# KiCad board klor1_4.kicad_pcb (continued)
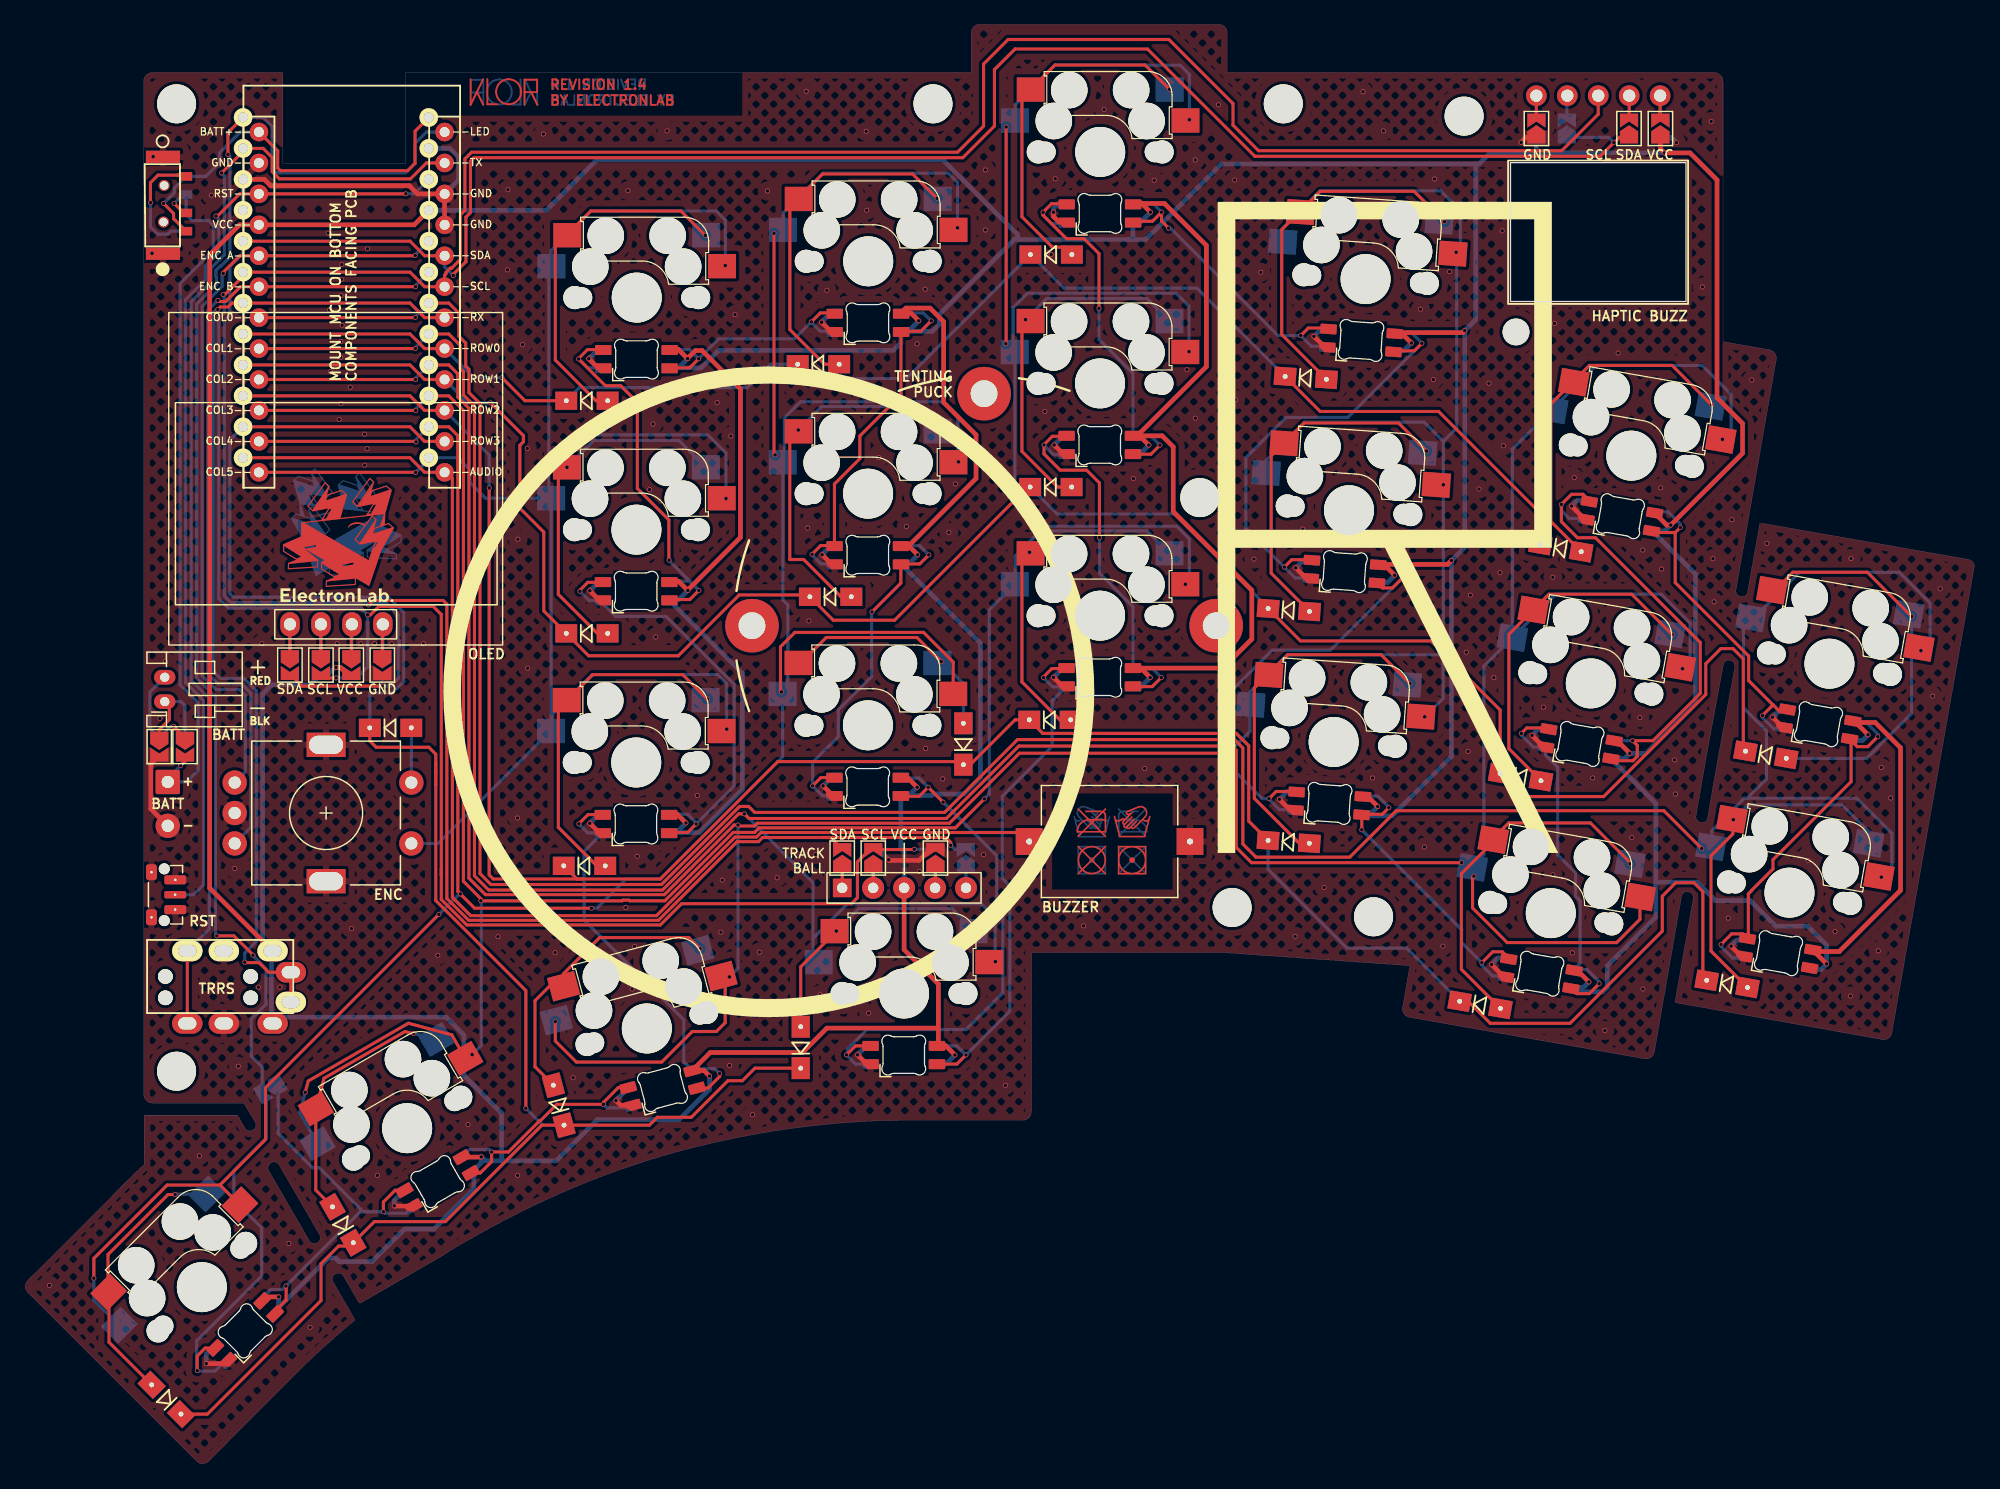
[diagram p0: board, top side]
## Routing (per net, layer and track width the routed paths; a pad name or vN(x,y) marks a point on that pad's centre or on a via; arc(x,y) is an arc through that point) (continued)
VCC: length 817.3
  Top w0.381: 90.79,84.46 91.54,84.46 v1(92.29,83.71) ; 74.87,34.39 75.62,34.39 v1(76.37,33.64) ; v1(92.42,102.84) 91.67,103.59 90.92,103.59 ; 90.92,103.59 91.6,103.59 ; 71.77,56.37 72.45,56.37 ; 53.42,72.47 52.94,72.47 ; 90.9,65.38 91.65,65.38 v1(92.4,64.63) ; 71.82,75.45 72.57,75.45 v1(73.32,74.7) ; 71.77,56.37 72.52,56.37 v1(73.27,55.62) ; v1(128.41,39.63) 127.38,40.66 127.17,40.66 ; U1.21 32,101.8 U1.21 17.67,101.8 15.2,99.34 15.2,47.35 J1.1 ; 52.94,53.4 53.58,53.4 v1(54.3,52.68) ; v1(56.24,31.9) 55.77,32.37 54.82,32.37 56.3,33.84 63.87,33.84 65.87,35.84 74.9,35.84 75.01,35.73 ; 25.59,65.45 v1(25.58,65.47) 25.94,65.47 26.48,64.93 JP2.2 ; v1(147.92,41.11) 146.9,42.13 146.86,42.13 148.95,42.13 153.98,47.16 153.98,58.86 151.9,60.94 150.18,60.94 150.3,60.94 v1(151.32,59.92) ; 75.01,35.73 75.01,34.34 ; 75.01,35.73 75.01,39.47 74.06,40.42 74.06,40.42 72.2,42.28 J3.3 ; v1(118.22,93.11) 118.05,92.95 112.45,92.95 112.98,92.95 v1(113.84,92.09) ; SW20.4 37.48,25.25 v1(37.51,25.27) ; v1(73.41,93.91) 72.76,94.56 71.94,94.56 ; 109.79,54.89 110.22,54.89 v1(111.08,54.03) ; 72.29,75.39 71.81,75.39 ; 71.94,94.55 72.35,94.96 74.32,94.96 75.45,93.84 75.45,87.21 78.11,84.55 78.11,80.97 72.61,75.48 71.94,75.48 ; 134.27,108.6 134.27,108.04 v1(134.61,107.7) 136.71,107.7 138.92,105.49 138.92,87.59 141.02,85.49 141.02,83.04 v1(135.12,77.14) 134.79,77.14 SW5.4 ; 90.79,84.46 91.47,84.46 ; v1(131.77,58.4) 130.73,59.44 SW10.4 ; v1(112.47,73.02) 111.57,73.92 111.12,73.92 116.8,73.92 v1(117.13,74.24) ; SW14.4 98.36,65.4 100.74,67.79 100.74,71.8 94.29,78.25 94.29,83.57 93.38,84.48 SW8.4 91.33,84.48 97.01,90.15 97.01,100.11 93.57,103.55 90.99,103.55 ; 74.87,34.39 75.55,34.39 ; 71.82,75.45 72.5,75.45 ; 90.9,65.38 91.58,65.38 ; 52.95,72.53 53.63,72.53 ; 52.95,72.53 53.7,72.53 v1(54.45,71.78) 54.45,71.82 58.77,76.14 58.77,88.32 55.62,91.47 55.07,91.47 54.44,90.84 v1(54.44,90.8) 53.68,91.56 52.94,91.56 ; 19.28,13.43 19.62,13.77 v1(20.88,13.77)
  Bottom w0.381: SW5.4 134.63,76.66 v1(135.12,77.14) ; 39.17,24.94 37.84,24.94 v1(37.51,25.27) 37.51,24.8 SW20.4 36.9,23.71 36.9,22.63 33.61,19.34 31.2,19.34 28.53,16.68 25.83,16.68 25.55,16.96 24.93,16.96 20.34,12.37 20.88,12.91 v1(20.88,13.77) ; 39.17,24.94 43.64,24.94 47.02,28.32 53.73,28.32 56.24,30.83 v1(56.24,31.9) ; 39.17,24.94 39.17,28.85 36.08,31.94 36.08,35.27 34.6,36.74 20.88,36.74 J1.1 ; 52.94,90.05 55.55,90.05 56.99,91.49 71.32,91.49 71.94,92.12 71.94,93.05 74.51,93.05 75.1,93.64 75.1,94.44 81.29,100.63 81.52,100.63 ; v1(128.41,39.63) 127.95,39.18 126.91,39.18 127.27,38.81 129.52,38.81 129.92,39.21 129.92,40.96 133.9,44.95 133.9,54.28 SW10.4 131.32,57.96 v1(131.77,58.4) 133.1,58.4 137.15,62.46 137.15,73.12 133.53,76.74 ; 133.9,46.61 133.9,47.82 137.29,47.82 138.8,46.31 141.65,46.31 143.75,44.21 146.35,44.21 147.92,42.65 v1(147.92,41.11) 147.46,40.65 146.6,40.65 ; v1(92.42,102.84) 91.68,102.09 90.92,102.09 ; 71.94,73.98 78.47,67.44 78.47,56.44 77.09,55.06 74.58,55.06 74.46,54.95 71.98,54.95 SW13.4 71.94,50.57 72.2,50.31 J3.3 ; 119.12,106.79 119.4,106.79 120.24,107.63 123.82,107.63 ; 119.12,106.79 119.12,94.01 v1(118.22,93.11) 118.22,75.33 v1(117.13,74.24) 117.13,58.14 112.26,53.27 109.81,53.27 109.69,53.4 110.44,53.4 v1(111.08,54.03) ; 119.12,106.79 98.24,106.79 92.03,100.59 90.61,100.59 ; v1(113.84,92.09) 113.19,91.45 112.35,91.45 ; 52.94,90.06 53.69,90.06 v1(54.44,90.8) ; 71.77,54.87 72.53,54.87 v1(73.27,55.62) ; 81.52,100.63 81.52,101 75.39,107.13 46.98,107.13 42.84,102.99 U1.21 ; 81.52,100.63 81.56,100.59 90.9,100.59 90.99,100.68 90.99,102.05 ; v1(54.45,71.78) 53.71,71.03 52.95,71.03 ; v1(92.29,83.71) 91.55,82.96 90.79,82.96 ; 111.02,72.42 111.87,72.42 v1(112.47,73.02) ; SW6.4 58.93,64.98 58.93,55.45 55.38,51.9 52.94,51.9 ; v1(76.37,33.64) 75.63,32.89 74.87,32.89 ; 90.9,63.88 91.66,63.88 v1(92.4,64.63) ; 123.68,107.71 134.6,107.71 v1(134.61,107.7) ; 71.94,93.06 72.55,93.06 v1(73.41,93.91) ; v1(54.3,52.68) 53.52,51.9 52.94,51.9 ; 20.24,42.18 19.56,42.86 19.56,63.31 20.29,64.03 23.44,64.03 JP7.2 24.97,64.93 25.51,65.47 v1(25.58,65.47) 25.56,65.45 ; 149.92,59.46 150.85,59.46 v1(151.32,59.92) ; 20.28,36.32 20.28,42.09 ; v1(73.32,74.7) 72.58,73.95 71.82,73.95 ; JP12.1 124.1,107.66
+BATT: length 33.4
  Top w0.254: v1(11.42,103.55) 12.24,102.73 12.24,102.3 12.25,102.3 PSW1.3 ; U1.24 20.79,107.88 20.79,106.46 21.01,106.24 31.46,106.24 32.07,106.85 32.07,109.49 U1.24
  Bottom w0.254: v1(11.42,103.55) 12.3,104.44 12.3,104.81 PSW1.3 14.89,105.78 16.02,106.91 16.02,107.72 17.72,109.42 U1.24
/PAD1: length 7.6
  Top w0.254: 11.07,59.45 11.07,60.34 11.9,61.17 11.9,62.28
  Bottom w0.254: JP23.1 13.18,62.33 12.86,62.65 BT1.1
/PAD2: length 8.7
  Top w0.254: v1(12.25,60.62) 12.25,60.62 JP24.1
  Bottom w0.254: BT1.2 10.31,63.44 10.31,60.44 JP25.1 12.02,60.62 v1(12.25,60.62)
/PSW: length 59.5
  Top w0.254: v1(12.83,57.4) 13.19,57.76 JP24.2 ; 13.07,102.78 v1(12.29,103.56)
  Bottom w0.254: PSW1.2 13.27,102.64 13.76,102.15 15.1,102.15 15.5,101.75 15.5,99.71 12.78,96.99 12.78,64.02 14.25,62.55 14.25,57 13.31,56.05 BT2.1 11.77,56.34 v1(12.83,57.4) 13.18,57.75 JP23.2 ; 13.01,104.28 v1(12.29,103.56)
AUDIO: length 103.2
  Top w0.254: U1.12 31.65,82.67 32.85,81.48 U1.12 ; 34.65,81.48 35.13,81 35.13,68.45 35.13,68.45 35.13,46.57 36.63,45.07 51.88,45.07 58.34,51.53 60.09,51.53 60.46,51.9 81.73,51.9 BZ1.1
col0: length 241.8
  Top w0.254: U1.18 32.06,94.18 v1(32.08,94.2) ; v1(137.67,50.58) 134.56,53.69 112.59,53.69 108.78,49.88 101.08,49.88 100.01,50.95 100.01,58.84 99.32,59.53 81.51,59.53 75.53,53.55 59.94,53.55 59.45,54.04 58.7,54.04 52.29,47.63 38.29,47.63 37.39,48.53 37.39,87.12 36.49,88.03 36.49,89.93 36.22,90.2 36.22,92.09 35.66,92.65 35.66,94.55 34.83,95.37 U1.18
  Bottom w0.254: U1.18 32.08,94.26 v1(32.08,94.2) ; v1(155.66,66.83) 156.4,67.58 156.4,70.73 153.88,73.26 145.69,73.26 141.1,68.67 141.1,62.13 142.98,60.25 142.98,56.3 141.39,54.71 ; v1(152.41,48.23) 153.28,49.1 153.28,51.82 150.39,54.71 141.39,54.71 ; 141.39,54.71 141.16,54.71 138.5,52.05 138.5,50.59
col1: length 294.6
  Top w0.254: v1(32.1,91.64) 32.09,91.64 U1.17 ; v1(118.97,48.32) 118.86,48.21 118.86,45.7 121.7,42.86 130.69,42.86 132.59,44.77 132.59,46.69 ; v1(117.97,49.42) 100.72,49.42 99.46,50.68 99.46,58.65 99.09,59.02 98.54,59.02 98.53,59 81.62,59 75.67,53.05 59.47,53.05 v1(59.09,53.43) 58.62,53.43 52.37,47.18 38.1,47.18 36.94,48.34 36.94,86.93 36.03,87.84 36.03,89.74 35.77,90.01 35.77,91.9 34.83,92.83 U1.17
  Bottom w0.254: 65.31,41.23 64.73,41.81 64.73,47.8 59.1,53.43 v1(59.09,53.43) ; v1(79.69,41.3) 79.68,41.32 79.68,44.9 78.54,46.03 67.55,46.03 64.73,43.22 ; 118.81,49.12 119.78,50.09 119.78,65.56 SW10.5 ; SW10.5 125.69,71.47 134.35,71.47 136.71,69.11 136.71,65.97 v1(136.09,65.35) ; SW10.5 122.12,83.37 129,90.25 137.7,90.25 140.08,87.87 140.08,84.89 v1(139.37,84.18) ; v1(32.1,91.64) 32.1,91.74 U1.17
col2: length 261.9
  Top w0.254: v1(32.11,89.09) 32.1,89.1 U1.16 ; v1(43.58,36.38) 43.58,34.78 45.31,33.05 52.31,33.05 54.82,35.56 56.8,35.56 57.52,36.28 57.52,39.8 57.19,40.13 ; v1(98.8,58.41) 81.67,58.41 75.92,52.67 60.15,52.67 59.92,52.44 58.65,52.44 v1(58.57,52.52) 58.25,52.52 52.53,46.8 37.84,46.8 36.49,48.16 36.49,86.74 35.58,87.65 35.58,89.56 34.84,90.29 U1.16
  Bottom w0.254: 103.25,100.49 103.25,101.49 106.35,104.59 116.24,104.59 117.86,102.97 117.86,99.89 v1(117.51,99.54) 117.56,99.49 117.56,85.12 116.46,84.02 ; 116.46,66.61 116.34,66.5 103.65,66.5 100.59,63.44 100.59,60.21 v1(98.8,58.41) ; 116.46,66.61 116.45,66.6 116.45,62.92 v1(114.93,61.4) ; 116.46,66.61 v1(116.46,80.45) 116.46,84.02 ; 116.46,84.02 114.87,85.6 105.06,85.6 101.92,82.46 101.92,81.46 ; v1(58.57,52.52) 58.57,40.75 v1(57.87,40.04) ; U1.16 32.11,89.21 v1(32.11,89.09)
col3: length 255.3
  Top w0.254: v1(32.12,86.54) 32.1,86.56 U1.15 ; v1(23.05,30.57) 23.3,31.5 31.51,36.24 35.08,35.29 36.19,33.36 ; U1.15 34.83,87.75 36.03,86.55 36.03,47.89 37.47,46.46 v1(37.47,46.29) 49.06,46.29 49.11,46.35 49.62,46.35 49.67,46.29 52.56,46.29 58.18,51.91 59.93,51.91 60.3,52.28 76.41,52.28 v1(78.79,54.66) ; v1(80.56,92.03) 80.58,92.05 v1(80.58,109.83)
  Bottom w0.254: SW8.5 81.3,91.34 81.3,79.22 83.47,77.05 83.89,77.05 ; v1(95.28,72.29) 95.61,72.62 95.61,76.01 94.57,77.05 83.89,77.05 ; v1(37.47,46.29) 37.5,46.26 37.5,34.41 v1(36.75,33.66) ; 81.32,110.41 81.32,111.66 84.56,114.9 94.87,114.9 95.61,114.16 v1(95.61,110.42) ; 83.89,77.05 83.77,77.05 81.32,74.6 81.32,72.26 ; 81.29,91.37 81.15,91.51 81.15,95 82.33,96.18 94.52,96.18 95.58,95.12 v1(95.58,91.38) ; v1(32.12,86.54) 32.12,86.68 U1.15 ; v1(23.05,30.57) 22.6,28.89 24.06,26.36 ; SW14.5 79.2,70.2 79.2,55.07 v1(78.79,54.66)
col4: length 249.7
  Top w0.254: v1(32.15,83.97) 32.1,84.02 U1.14 ; 16.05,22.96 11.72,22.96 5.71,16.94 v1(5.71,15.31) ; 16.05,22.96 17.67,21.34 ; 16.05,22.96 19.8,26.7 19.8,30.95 v1(34.03,45.18) ; v1(61.62,82.9) 61.53,82.99 v1(61.53,101.1) ; v1(46.56,45.69) 36.95,45.69 v1(35.78,46.86) 35.58,47.06 35.58,84.48 34.85,85.21 U1.14 ; SW13.5 76.23,65.9 73.8,68.33 63.24,68.33 62.06,67.15 62.06,63.52 v1(62.14,63.44) ; v1(76.59,101.55) 76.24,101.21
  Bottom w0.254: 62.37,82.32 62.37,85.94 63.71,87.27 75.36,87.27 76.62,86.02 76.62,82.38 v1(76.66,82.33) ; 7.78,11.44 5.71,13.51 v1(5.71,15.31) ; v1(32.15,83.97) 32.15,84.17 U1.14 ; v1(76.59,101.55) 76.59,105.29 75.84,106.03 65.54,106.03 62.29,102.79 62.29,101.54 ; v1(35.78,46.86) 35.7,46.86 v1(34.03,45.18) ; 62.25,82.34 62.25,70.99 62.66,70.58 62.66,63.96 v1(62.14,63.44) 62.14,63.38 SW13.5 62.23,58.12 52.21,48.1 49.41,48.1 46.99,45.69 v1(46.56,45.69)
col5: length 141.9
  Top w0.254: U1.13 32.1,81.48 v1(32.11,81.47)
  Bottom w0.254: SW6.5 37.85,79.35 36.58,80.62 36.58,81.67 35.58,82.67 U1.13 ; SW6.5 43.23,60.28 33.96,51 SW18.S1 ; SW6.5 43.04,79.55 43.04,98.24 43.23,98.44 43.23,99.69 46.48,102.93 56.78,102.93 57.53,102.19 v1(57.53,98.45) ; 43.35,60.38 43.35,61.63 46.59,64.87 56.9,64.87 57.64,64.13 v1(57.64,60.39) ; 33.19,82.55 v1(32.11,81.47) ; v1(57.58,79.32) 57.58,83.06 56.09,84.55 45.53,84.55 43.04,82.06
ENCA: length 63.5
  Top w0.254: v1(16.32,97.8) 16.34,97.82 16.34,97.92 17.68,99.26 U1.20 32.05,99.26 v1(32.08,99.28)
  Bottom w0.254: v1(16.32,97.8) 16.22,97.71 16.22,96.73 14.6,95.1 14.6,64.77 15.72,63.65 17.65,63.65 18.13,63.16 18.13,56.88 SW18.A ; U1.20 32.08,99.34 v1(32.08,99.28)
ENCB: length 66.5
  Top w0.254: v1(32.11,96.72) 32.1,96.72 U1.19 17.74,96.72 16.52,95.5 15.98,95.5 v1(15.88,95.6)
  Bottom w0.254: U1.19 32.11,96.83 v1(32.11,96.72) ; SW18.B 18.59,52.33 18.59,63.35 17.83,64.1 15.91,64.1 15.05,64.96 15.05,94.77 v1(15.88,95.6)
LED: length 141.3
  Top w0.254: v1(18.77,41.83) 18.77,41.85 17.2,43.42 v1(15.8,43.42) ; 15.42,9.57 14.84,9.57 14.19,8.92 v1(14.19,7.71) ; v1(16.71,107.57) 16.71,109.37 U1.1
  Bottom w0.254: 16.49,8.51 15.66,7.69 14.21,7.69 v1(14.19,7.71) 14.14,7.76 14.14,10.15 19.48,15.49 19.48,19.44 17.2,21.72 17.2,24.16 19.85,26.81 19.85,30.2 JP26.2 19.52,30.52 19.52,32.64 18.62,33.54 18.62,36.59 19.83,37.8 19.83,40.73 18.77,41.79 v1(18.77,41.83) ; U1.1 33,109.42 32.06,108.48 32.06,106.83 31.3,106.07 20.69,106.07 20.34,106.43 20.34,109.87 19.59,110.61 U1.1 ; v1(16.71,107.57) 16.86,107.42 16.86,99.14 16.13,98.41 16.07,98.41 15.71,98.05 15.71,97.55 15.77,97.49 15.77,96.92 14.14,95.29 14.14,64.58 15.69,63.04 15.69,43.53 v1(15.8,43.42)
RESET: length 78.1
  Top w0.254: v1(15.73,102.51) 15.85,102.51 17.67,104.34 U1.22 31.3,104.34 v1(31.31,104.35)
  Bottom w0.254: v1(15.73,102.51) 15.96,102.28 15.96,99.52 14.86,98.43 14.86,97.3 13.23,95.67 13.23,64.21 14.7,62.75 14.7,47.61 13.88,46.79 RSW1.2 ; v1(31.31,104.35) 31.32,104.35 32.01,104.35 U1.22
row0: length 126.1
  Top w0.254: D4.1 106.35,86.47 116.07,86.47 124.42,78.12 D5.1 ; D1.1 41.09,87.35 v1(39.2,89.24) ; U1.8 31.65,92.83 32.85,91.64 U1.8
  Bottom w0.254: U1.8 36.88,89.24 v1(39.2,89.24) ; D4.1 96.22,96.6 85.32,96.6 D3.1 72.4,89.18 64.64,89.18 D2.1 61.26,90.35 59.34,88.43 45.55,88.43 D1.1
row1: length 176.3
  Top w0.254: D8.1 82.35,80.27 71.42,69.33 66.39,69.33 64.31,71.41 58.67,71.41 53.67,66.41 46.31,66.41 D6.1 42.63,70.09 42.63,76.57 40.67,78.53 40.67,83.69 40.96,83.98 40.96,84.49 v1(38.27,87.18) ; D9.1 104.74,67.63 115.45,67.63 121.12,61.96 D10.1 123.01,54.85 129.61,54.85 138,63.24 138,65.76 139.24,67 140.23,67 141.08,66.16 141.08,58.75 D11.1 ; U1.9 32.85,89.1 31.65,90.29 U1.9
  Bottom w0.254: D8.1 84.77,78.05 94.39,78.05 102.08,70.37 D9.1 ; v1(38.27,87.18) 36.4,87.18 U1.9
row2: length 193.6
  Top w0.254: D12.1 45.35,48.09 45.82,48.09 ; 45.82,48.09 52.2,48.09 61.84,57.72 76.82,57.72 D13.1 77.63,57.47 81.31,61.15 D14.1 83.58,60.04 99.47,60.04 100.49,59.02 100.49,52.84 D15.1 ; 45.82,48.09 38.48,48.09 38.15,48.42 v1(38.15,80.19) ; U1.10 32.85,86.56 31.65,87.75 U1.10 ; D17.1 137.76,40.08 137.76,47.05 137.03,47.78 135.54,47.78 134.43,46.67 134.43,43.8 126.86,36.24 120.31,36.24 118.49,38.05 D16.1
  Bottom w0.254: D16.1 113.43,42.41 108.54,42.41 102.07,48.88 D15.1 ; U1.10 38.15,82.9 v1(38.15,80.19)
row3: length 166.7
  Top w0.254: 33.76,55.85 33.76,58.34 33.2,58.9 28.87,58.9 28.35,59.42 D18.1 ; 33.76,55.85 33.76,46.32 41.16,38.93 v1(41.16,29.25) ; 33.76,55.85 33.76,57.69 ; D19.1 15.02,4.15 24.35,13.47 24.35,16.5 25.79,17.95 26.99,17.95 ; U1.11 31.65,85.21 32.85,84.02 U1.11 ; D20.1 28.72,19.95 34.55,19.95 42.47,27.87 D21.1 51.3,27.87 51.94,28.52 54.74,28.52 57.74,31.52 58.93,31.52 59.96,32.55 D22.1
  Bottom w0.254: U1.11 16.86,84.12 16.86,71.51 17.14,71.23 29.87,71.23 31.14,69.96 31.14,64.3 30.19,63.36 28.35,63.36 D18.1 ; v1(41.16,29.25) 42.54,27.87 D21.1
RX: length 82.7
  Top w0.254: U1.7 32.85,94.18 31.65,95.37 U1.7 17.03,95.37 16.71,95.05 16.07,95.05 v1(15.87,94.85) ; v1(18.09,41.25) 18.12,41.22 19.26,41.22 20.05,40.43 J1.3 J1.3
  Bottom w0.254: v1(15.87,94.85) 15.77,94.85 15.5,94.58 15.5,65.15 16.1,64.55 18.02,64.55 19.04,63.53 19.04,42.96 18.09,42.01 v1(18.09,41.25)
SCL: length 260.6
  Top w0.254: U1.6 31.65,97.91 32.85,96.72 U1.6 34.49,97.66 34.6,97.77 34.6,97.88 34.95,98.24 35.07,98.24 35.79,98.96 35.79,102.62 36.16,102.99 36.16,107.22 36.7,107.76 76.58,107.76 78.73,109.9 78.73,115 80.74,117.01 93.94,117.01 99.2,111.75 99.2,109.98 101.29,107.88 126.18,107.88 129.17,110.88 129.17,111.8 ; JP3.2 24.67,64.59 v1(25.59,64.59) ; 34.22,48.95 34.22,69.8 33.56,70.46 29.09,70.46 28.4,69.77 v1(28.18,69.77) ; 34.22,48.95 34.22,48.44 34.22,48.44 34.22,48.5 ; 34.22,48.95 34.22,46.4 36.31,44.31 52.2,44.31 53.94,46.05 67.87,46.05 68.37,46.55 68.37,49.49 69.41,50.53 69.67,50.53 69.7,50.5 73.01,50.5 v1(73.04,50.53) ; v1(16.31,96.07) 16.44,96.07 17.95,97.58
  Bottom w0.254: 16.41,95.87 16.41,94.57 15.96,94.11 15.96,71.14 16.77,70.32 27.62,70.32 v1(28.18,69.77) 28.18,65.5 27.6,64.93 JP6.2 26.51,64.59 v1(25.59,64.59) ; 16.41,95.87 16.41,95.97 v1(16.31,96.07) ; 16.41,95.87 16.41,96 ; v1(73.04,50.53) JP20.2
SDA: length 279.5
  Top w0.254: U1.5 32.85,99.26 31.65,100.45 U1.5 ; v1(35.2,97.63) 35.2,97.74 36.24,98.77 36.24,102.43 36.61,102.8 36.61,107.03 36.89,107.31 77.02,107.31 79.62,109.91 79.62,114.54 81.31,116.23 92.18,116.23 100.99,107.42 129.33,107.42 v1(130.46,108.55) 130.51,108.55 130.93,108.98 JP28.1 ; v1(28.24,70.58) 28.61,70.95 34.37,70.95 34.67,70.65 34.67,46.49 36.47,44.69 52.04,44.69 58.5,51.15 60.25,51.15 60.59,51.49 66.16,51.49 67.12,50.53 ; v1(29.36,63.92) 22.8,63.92 JP4.2 ; 65.56,51.49 75.63,51.49 76.03,51.09 v1(76.03,50.86)
  Bottom w0.254: 77.27,50.53 76.35,50.53 v1(76.03,50.86) ; 27.75,70.78 28.05,70.78 v1(28.24,70.58) ; 27.75,70.78 29.68,70.78 30.68,69.78 30.68,67.72 30.75,67.65 30.75,67.15 30.68,67.08 30.68,64.54 30.07,63.92 v1(29.36,63.92) 29.36,64.9 JP5.2 ; 27.75,70.78 16.95,70.78 16.41,71.32 16.41,93.91 16.86,94.36 16.86,98.39 17.95,99.48 U1.5 ; JP27.1 130.03,108.98 v1(130.46,108.55) ; v1(35.2,97.63) 34.49,98.35 U1.5
SW18B: length 4.5
  Bottom w0.254: SW18.S2 31.76,60.48
TX: length 93.7
  Top w0.254: U1.2 19.59,108.07 20.34,107.33 20.34,106.16 20.93,105.57 31.69,105.57 33,106.88 U1.2 ; J1.4 J1.4 ; v1(16.18,106.05) 17.95,107.82
  Bottom w0.254: J1.4 15.18,43.98 15.18,62.91 13.69,64.4 13.69,95.48 15.32,97.11 15.32,98.24 16.41,99.33 16.41,105.82 v1(16.18,106.05)
Net-(D1-A): length 29.4
  Top w0.254: D1.2 46.92,87.35 43.58,90.69 43.58,100.02 46.49,102.93 53.88,102.93 55.83,100.98 55.85,100.98 v1(55.9,100.93)
Net-(D2-A): length 29.2
  Top w0.254: 63.55,104.02 65.51,105.97 72.9,105.97 74.85,104.02 ; 63.54,103.98 62.83,103.27 62.83,93.19 65.67,90.35 D2.2
  vias: v1(74.92,103.97)
Net-(D3-A): length 29.1
  Top w0.254: 93.93,112.97 91.98,114.92 84.59,114.92 82.63,112.97 ; 82.58,112.97 81.87,112.26 81.87,102.46 84.37,99.96 85.36,99.96 D3.2
  vias: v1(94,112.92)
Net-(D4-A): length 29.5
  Top w0.254: v1(116.56,102.05) 114.06,104.55 106.35,104.55 103.2,101.4 103.2,92.78 D4.2
Net-(D5-A): length 29
  Top w0.254: v1(138.48,87.01) 135.24,90.25 128.44,90.25 125.29,87.1 125.29,77.44 D5.2
Net-(D6-A): length 29.3
  Top w0.254: v1(44.53,81.89) 43.82,81.18 43.82,71.46 47.03,68.25 D6.2
  Bottom w0.254: SW6.6 53.73,84.09 46.74,84.09 v1(44.53,81.89)
Net-(D7-A): length 30.5
  Top w0.254: 63.53,84.9 63.52,84.88 v1(63.52,84.95) 63.59,84.95 62.82,84.19 62.82,74.32 63.96,74.32 67.02,71.26 D7.2
  Bottom w0.254: v1(63.52,84.95) 65.44,86.87 72.96,86.87 74.93,84.9
Net-(D8-A): length 29.6
  Top w0.254: SW8.6 81.87,93.19 81.87,83.2 84.8,80.27 D8.2
  Bottom w0.254: v1(82.17,94.01) 83.89,95.74 92.14,95.74 SW8.6
Net-(D9-A): length 28.9
  Top w0.254: D9.2 102.33,73.2 102.33,82.84 105.02,85.53 112.78,85.53 v1(115.09,83.22)
Net-(D10-A): length 29.3
  Top w0.254: v1(135.25,68.14) 131.92,71.47 125.13,71.47 SW10.6 121.84,68.18 121.84,58.79 D10.2
Net-(D11-A): length 33.3
  Top w0.254: v1(154.89,69.64) 151.26,73.27 145.14,73.27 143.54,71.67
  Bottom w0.254: D11.2 151.19,57.99 154.89,61.68 v1(154.89,69.64)
Net-(D12-A): length 28.9
  Top w0.254: 55.99,62.91 54.04,64.86 46.65,64.86 44.69,62.91 ; 44.53,62.82 43.82,62.11 43.82,52.33 46.99,49.16 D12.2
  vias: v1(56.06,62.86)
Net-(D13-A): length 18.7
  Top w0.254: 63.88,65.99 65.81,67.91 73.26,67.91 75.18,65.99
  Bottom w0.254: D13.2 77.07,64.12 v1(75.25,65.94)
Net-(D14-A): length 29.7
  Top w0.254: D14.2 84.99,61.15 81.87,64.27 81.87,74.11 82.67,74.91 v1(82.5,74.91) 82.5,74.74 SW14.6
  Bottom w0.254: v1(82.5,74.91) 84.25,76.67 92.14,76.67 SW14.6
Net-(D15-A): length 30
  Top w0.254: D15.2 104.63,51.02 100.95,54.7 100.95,63.76 103.69,66.5 111.35,66.5 v1(113.72,64.13)
Net-(D16-A): length 29.6
  Top w0.254: D16.2 117.94,40.67 117.94,48.52 120.53,51.11 120.53,51.39 121.82,52.69 128.53,52.69 131.79,49.43 v1(131.79,49.34)
Net-(D17-A): length 29.4
  Top w0.254: v1(140.26,52.95) 140.26,52.91 140.22,52.87 140.22,51.79 138.43,49.99 138.43,42.17 D17.2
  Bottom w0.254: v1(140.26,52.95) 141.47,54.16 149.19,54.16 151.45,51.91 151.45,50.89
Net-(D19-A): length 22.2
  Top w0.254: 6.9,14.16 6.95,14.11 6.95,10.05 10.45,6.55 ; v1(12.37,22.18) 11.79,22.18 6.87,17.25 6.87,14.18
  Bottom w0.254: 14.96,22.22 12.41,22.22
Net-(D20-A): length 21.5
  Top w0.254: D20.2 23.92,22.54 SW20.6 24.59,31.72 31.24,35.56 31.9,35.39
  Bottom w0.254: v1(31.94,35.41) 33.79,34.91
Net-(D21-A): length 24.3
  Top w0.254: v1(55.46,42.35) 54.54,43.27 47.21,43.27 44.27,40.33 44.27,39.29 ; 43.43,31.14 41.91,32.67 41.91,38.09 43.14,39.33 44.25,39.33
Net-(D22-A): length 22.1
  Top w0.254: 66.61,43.77 66.64,43.79 v1(66.64,43.81) 66.66,43.81 63.72,40.87 D22.2
  Bottom w0.254: v1(66.64,43.81) 68.48,45.65 76.12,45.65 78.01,43.77
Net-(J2-Pin_1): length 3.3
  Top w0.254: J2.1 124.09,110.43 JP13.2
  Bottom w0.254: JP13.2 124.1,111.8
Net-(J2-Pin_2): length 1.3
  Bottom w0.254: JP27.2 126.6,111.77
Net-(J2-Pin_4): length 1.4
  Top w0.254: 131.71,111.8 131.71,110.44 JP28.2
Net-(J2-Pin_5): length 3.4
  Top w0.254: 134.25,111.8 134.25,110.45 JP14.2
  Bottom w0.254: J2.5 134.25,110.45 JP14.2
Net-(J3-Pin_1): length 1.7
  Top w0.254: JP16.1 J3.1
Net-(J3-Pin_2): length 3.7
  Top w0.254: JP17.1 69.67,47.36
  Bottom w0.254: J3.2 69.66,47.36 69.66,49.29
Net-(J3-Pin_4): length 3.4
  Top w0.254: JP18.1 74.77,47.38
  Bottom w0.254: JP18.1 74.77,47.38
Net-(J3-Pin_5): length 1.7
  Bottom w0.254: JP21.1 77.27,47.36
Net-(OLED1-GND): length 5.2
  Top w0.254: 29.38,66.38 29.38,68.95
  Bottom w0.254: 29.38,66.38 29.42,66.41 OLED1.1
Net-(OLED1-SCL): length 5.5
  Top w0.254: 24.34,66.38 24.34,69
  Bottom w0.254: OLED1.3 24.34,66.15
Net-(OLED1-SDA): length 5.5
  Top w0.254: 21.79,66.38 21.79,68.99
  Bottom w0.254: OLED1.4 21.8,66.15
Net-(OLED1-VCC): length 5.2
  Top w0.254: 26.83,66.38 26.83,68.95
  Bottom w0.254: 26.84,66.38 26.88,66.42 OLED1.2
Net-(SW1B-DIN): length 33.9
  Top w0.254: v1(52.92,74.26) 52.9,74.28 52.9,77.56 50.31,80.15 50.31,87.22 48.95,88.58 47.69,88.58 v1(45.49,90.78) 45.49,90.82 46.22,91.55 47.49,91.55 ; v1(55.36,71.78) 54.62,71.03 52.95,71.03
  Bottom w0.254: v1(45.49,90.78) 46.22,90.05 47.49,90.05 ; 52.9,74.24 v1(55.36,71.78) 54.61,72.53 52.95,72.53
Net-(SW1B-DOUT): length 20.4
  Top w0.254: v1(64.59,93.82) 65.33,94.56 66.51,94.56 ; 52.94,90.06 54.6,90.06 v1(55.35,90.8)
  Bottom w0.254: 52.94,91.56 54.59,91.56 v1(55.35,90.8) 56.99,92.44 63.21,92.44 v1(64.59,93.82) 64.59,93.78 65.31,93.06 66.51,93.06
Net-(SW2B-DOUT): length 29.9
  Top w0.254: v1(64.65,74.74) 64.65,74.75 65.36,75.46 66.56,75.46 ; 71.94,93.05 71.94,87.84 68.57,84.47 68.57,82.6 66.49,80.52 66.49,75.48 ; v1(74.43,93.91) 73.57,93.06 71.94,93.06
  Bottom w0.254: 71.94,94.56 73.78,94.56 v1(74.43,93.91) ; v1(64.65,74.74) 64.65,74.67 65.36,73.96 66.56,73.96
Net-(SW3B-DIN): length 32.4
  Top w0.254: v1(88.2,94.93) 88.2,99.43 86.98,100.65 85.54,100.65 83.61,102.58 v1(83.61,102.83) 84.31,103.53 85.54,103.53 ; 90.79,82.96 92.46,82.96 v1(93.2,83.71)
  Bottom w0.254: 90.79,84.46 92.45,84.46 v1(93.2,83.71) ; v1(88.2,94.93) 88.2,92.39 90.99,89.6 SW8.1 ; 85.54,102.03 85.41,101.9 84.29,101.9 83.61,102.58 v1(83.61,102.83)
Net-(SW3B-DOUT): length 26.5
  Top w0.254: 90.92,102.09 92.59,102.09 v1(93.33,102.84) 93.33,102.11 v1(93.92,101.52) ; 107.01,93.33 105.38,93.33 v1(104.76,92.7)
  Bottom w0.254: 90.92,103.59 92.58,103.59 v1(93.33,102.84) ; v1(93.92,101.52) 94.07,101.52 102.89,92.7 v1(104.76,92.7) 105.63,91.83 106.91,91.83
Net-(SW4B-DOUT): length 38.9
  Top w0.254: 112.35,91.45 114.08,91.45 v1(114.7,92.06) ; v1(103.41,73.69) 104.01,74.3 105.68,74.3
  Bottom w0.254: 105.58,72.8 104.3,72.8 v1(103.41,73.69) 100.25,76.85 100.25,82.68 103.55,85.98 108.62,85.98 v1(114.7,92.06) 114.7,92.09 113.84,92.95 112.45,92.95
Net-(SW10B-DIN): length 30.2
  Top w0.254: SW10.3 125.01,60.49 123.3,60.49 v1(122.86,60.04) ; 126.91,39.18 127.41,38.67 128.44,38.67 v1(129.25,39.48)
  Bottom w0.254: v1(122.86,60.04) 122.86,59.9 123.85,58.91 SW10.3 124.85,58.26 125.85,57.26 125.85,50.05 127.32,48.58 127.32,46.67 127.68,46.3 127.68,41.17 127.17,40.66 128.24,40.66 129.25,39.65 v1(129.25,39.48)
Net-(SW10B-DOUT): length 39.2
  Top w0.254: SW10.1 130.38,57.8 132.02,57.8 132.37,58.15 132.37,59.06 v1(131.99,59.44) 133.66,59.44 137.54,63.32 137.54,67.51 128.95,76.1 127.47,76.1 126.15,77.42 v1(126.15,78.84) 126.98,79.67 127.92,79.67 128.42,79.17
  Bottom w0.254: v1(126.15,78.84) 126.15,78.33 126.79,77.69 128.16,77.69 ; SW10.1 131.59,59.44 131.59,59.44 v1(131.99,59.44)
Net-(SW11B-DIN): length 28.1
  Top w0.254: 143.52,62.39 144.03,61.88 144.82,61.88 ; 143.52,62.39 143.5,62.39 141.52,64.37 141.52,66.39 135.49,72.42 135.49,76.54 ; 143.52,62.39 v1(142.65,61.51) ; v1(135.91,76.95) 135.49,76.54 ; 135.49,76.54 133.74,76.54 133.53,76.74
  Bottom w0.254: 133.79,78.22 134.92,78.22 135.91,77.23 v1(135.91,76.95) ; v1(142.65,61.51) 142.65,61.33 143.58,60.4 144.56,60.4
Net-(SW11B-DOUT): length 30.5
  Top w0.254: v1(152.12,59.77) 151.3,58.95 150.43,58.95 149.92,59.46 149.92,56.08 143.51,49.67 143.51,48.91 141.74,47.14 141.74,47.11 141.49,46.86 141.49,43.08 140.99,43.58 140.12,43.58 v1(139.25,42.71)
  Bottom w0.254: 141.23,41.6 140.19,41.6 139.25,42.54 v1(139.25,42.71) ; 150.18,60.94 151.16,60.94 152.12,59.98 v1(152.12,59.77)
Net-(SW12B-DIN): length 33.3
  Top w0.254: 55.21,30.92 56.11,30.92 57.06,31.86 v1(57.06,32.11) ; v1(45.51,52.61) 45.51,52.62 46.26,53.37 47.46,53.37
  Bottom w0.254: v1(45.51,52.61) 46.25,51.87 47.46,51.87 ; v1(57.06,32.11) 56.66,32.51 54.97,32.51 54.82,32.37 54.12,33.07 54.12,36.53 45.95,44.7 45.95,50.36 47.49,51.9
Net-(SW12B-DOUT): length 35.5
  Top w0.254: v1(55.14,52.6) 54.44,51.9 52.94,51.9 ; v1(45.6,71.71) 45.6,71.8 46.24,72.44 47.52,72.44
  Bottom w0.254: v1(45.6,71.71) 45.6,71.7 46.36,70.94 47.52,70.94 ; 53.59,53.4 54.43,53.4 55.14,52.7 v1(55.14,52.6) 58.26,55.72 58.26,64.05 52.66,69.65 51.41,69.65 51.38,69.65 49.04,69.65 49.01,69.65 48.52,69.65 47.49,70.68 SW6.3
Net-(SW13B-DIN): length 31
  Top w0.254: v1(74.23,74.7) 73.49,73.95 71.82,73.95 ; 66.54,56.41 65.37,56.41 64.7,55.74 v1(64.7,55.72) ; v1(69.57,70.01) 71.94,72.38 71.94,73.98
  Bottom w0.254: v1(74.23,74.7) 73.48,75.45 71.82,75.45 ; v1(69.57,70.01) 69.55,70.01 69.54,70 69.54,64.7 66.8,61.96 66.8,59.78 64.7,57.67 v1(64.7,55.72) 65.51,54.91 66.54,54.91
Net-(SW13B-DOUT): length 44.6
  Top w0.254: 71.77,54.87 73.44,54.87 v1(74.18,55.62) v1(75.41,54.39) ; v1(67.47,33.64) 68.2,34.38 SW22.3
  Bottom w0.254: 71.77,56.37 73.43,56.37 v1(74.18,55.62) ; SW22.3 68.23,32.88 v1(67.47,33.64) 67.56,33.73 67.56,34.13 69.15,35.72 77.29,35.72 80.3,38.74 80.3,45.37 79.81,45.86 79.81,49.99 v1(75.41,54.39)
Net-(SW14B-DIN): length 44.2
  Top w0.254: 85.6,65.36 84.33,65.36 83.65,64.68 v1(83.65,64.61) ; 74.87,32.89 76.54,32.89 v1(77.28,33.64)
  Bottom w0.254: SW14.3 84.35,62.71 84.35,58.96 80.26,54.87 80.26,48.14 80.88,47.52 80.88,37.23 v1(77.28,33.64) 76.53,34.39 74.87,34.39 ; 85.6,63.86 84.39,63.86 83.65,64.61 v1(83.65,64.61)
Net-(SW14B-DOUT): length 32.4
  Top w0.254: v1(93.31,64.63) 92.57,63.88 90.9,63.88 ; v1(88.24,76.12) 88.24,80.6 87.18,81.65 85.01,81.65 83.69,82.98 v1(83.69,83.72) 83.69,83.75 84.37,84.43 85.56,84.43
  Bottom w0.254: 90.9,65.38 92.56,65.38 v1(93.31,64.63) ; SW14.1 90.99,70.44 88.24,73.19 v1(88.24,76.12) ; v1(83.69,83.72) 83.69,83.69 84.45,82.93 85.56,82.93
Net-(SW15B-DIN): length 39.7
  Top w0.254: 104.35,55.27 102.74,55.27 v1(102.15,54.68) ; v1(113.27,72.96) 112.28,71.98 111.46,71.98 111.02,72.42
  Bottom w0.254: 111.12,73.92 112.43,73.92 113.27,73.08 v1(113.27,72.96) 107.18,66.88 102.42,66.88 98.19,62.65 98.19,58.08 101.59,54.68 v1(102.15,54.68) 102.15,54.63 103,53.78 104.25,53.78
Net-(SW15B-DOUT): length 26.7
  Top w0.254: v1(119.62,41.21) 120.51,42.11 121.29,42.11 121.8,41.6 ; v1(111.99,53.94) 111.44,53.4 109.69,53.4 109.77,53.32 v1(109.77,52.12)
  Bottom w0.254: v1(111.99,53.94) 111.99,53.98 111.07,54.89 109.79,54.89 ; 121.54,40.13 120.5,40.13 119.62,41 v1(119.62,41.21) 117.97,42.86 117.97,43.92 v1(109.77,52.12)
Net-(SW19B-DOUT): length 37
  Top w0.254: SW20.3 30.43,22.53 29.47,21.56 v1(29.47,20.76) ; v1(21.47,14.66) 21.48,14.65 21.48,13.51 20.34,12.37
  Bottom w0.254: 20.83,31.2 20.83,27.2 23.64,24.38 24.19,24.38 27.81,20.76 v1(29.47,20.76) ; SW20.3 31.36,20.65 29.58,20.65 v1(29.47,20.76) ; v1(29.47,20.76) 27.57,20.76 v1(21.47,14.66) 21.18,14.38 20.23,14.38 19.28,13.43
Net-(SW20B-DOUT): length 21.8
  Top w0.254: SW20.1 37.42,23.95 38.35,24.88 v1(38.35,25.67) 39.73,25.67 42.31,28.25 42.37,28.25 43.7,29.58 v1(47.53,29.58) 47.53,29.74 48.74,30.96 49.56,30.96
  Bottom w0.254: 49.95,29.51 49.73,29.3 47.81,29.3 v1(47.53,29.58) ; v1(38.35,25.67) 38.14,25.88 36.54,25.88 SW20.1
unconnected-(PSW1A-A-Pad1): length 10.3
  Top w0.254: 12.54,105.88 13.17,105.88 ; 12.54,105.88 10.97,105.88 10.35,105.26 10.35,103.62 v1(10.36,103.62) ; 12.54,105.88 12.76,105.88 12.86,105.78
  Bottom w0.254: PSW1.1 12.02,101.28 11.79,101.04 10.94,101.04 10.35,101.63 10.35,103.61 v1(10.36,103.62)

## Copper pours and planes (outline as drawn; the poured copper is in the pictures)
GND on Top, Bottom: 99.57,115.15 140.42,115.28 140.45,93 145.12,92.2 142.6,78.3 161.1,75 153.7,33.73 135.27,37.2 134.37,32.18 112.05,36.28 112.75,40.15 98.75,41.25 83.5,41.2 83.27,27.28 73.12,27.3 64.82,26.95 57.17,25.65 47.12,22.55 37.62,18.03 28.12,12.3 28.22,11.75 14.72,-1.35 -1.3,14.8 9,24.98 9.02,115.03 9.17,115.03 21.75,114.98 21.77,107.63 30.42,107.6 30.42,114.98 76.97,115.13 77,118.9 99.55,118.9

Small or netless copper shapes (teardrops, artwork), in the pictures only: 9 on Top, 8 on Bottom

## Text on the board
Bottom: REVISION 1.4 / BY ELECTRONLAB
B.Mask: REVISION 1.4 / BY ELECTRONLAB
B.Silkscreen: --LED | --TX | --GND | --SDA | --SCL | --RX | --ROW0 | --ROW1 | --ROW2 | --ROW3 | --AUDIO | BATT+-- | GND-- | RST-- | VCC-- | ENC A-- | ENC B-- | COL0-- | COL2-- | COL3-- | COL4-- | COL5-- | COL1-- | BLK | RED | TRACK / BALL | GND | VCC | SCL | SDA | LOST / THUMB? | MOUNT MCU ON BOTTOM / COMPONENTS FACING PCB | TENTING / PUCK | BATT | RST | ENC | OLED | HAPTIC BUZZ | BUZZER
Top: REVISION 1.4 / BY ELECTRONLAB
F.Mask: REVISION 1.4 / BY ELECTRONLAB
F.Silkscreen: --LED | --TX | --GND | --SDA | --SCL | --RX | --ROW0 | --ROW1 | --ROW2 | --ROW3 | --AUDIO | COL1-- | BATT+-- | GND-- | RST-- | VCC-- | ENC A-- | ENC B-- | COL0-- | COL2-- | COL3-- | COL4-- | COL5-- | RED | BLK | SDA | SCL | VCC | GND | TRACK / BALL | BUZZER | BATT | RST | ENC | OLED | HAPTIC BUZZ | TENTING / PUCK | MOUNT MCU ON BOTTOM / COMPONENTS FACING PCB
